# KiCad board Breadboard_power_supply.kicad_pcb (continued)
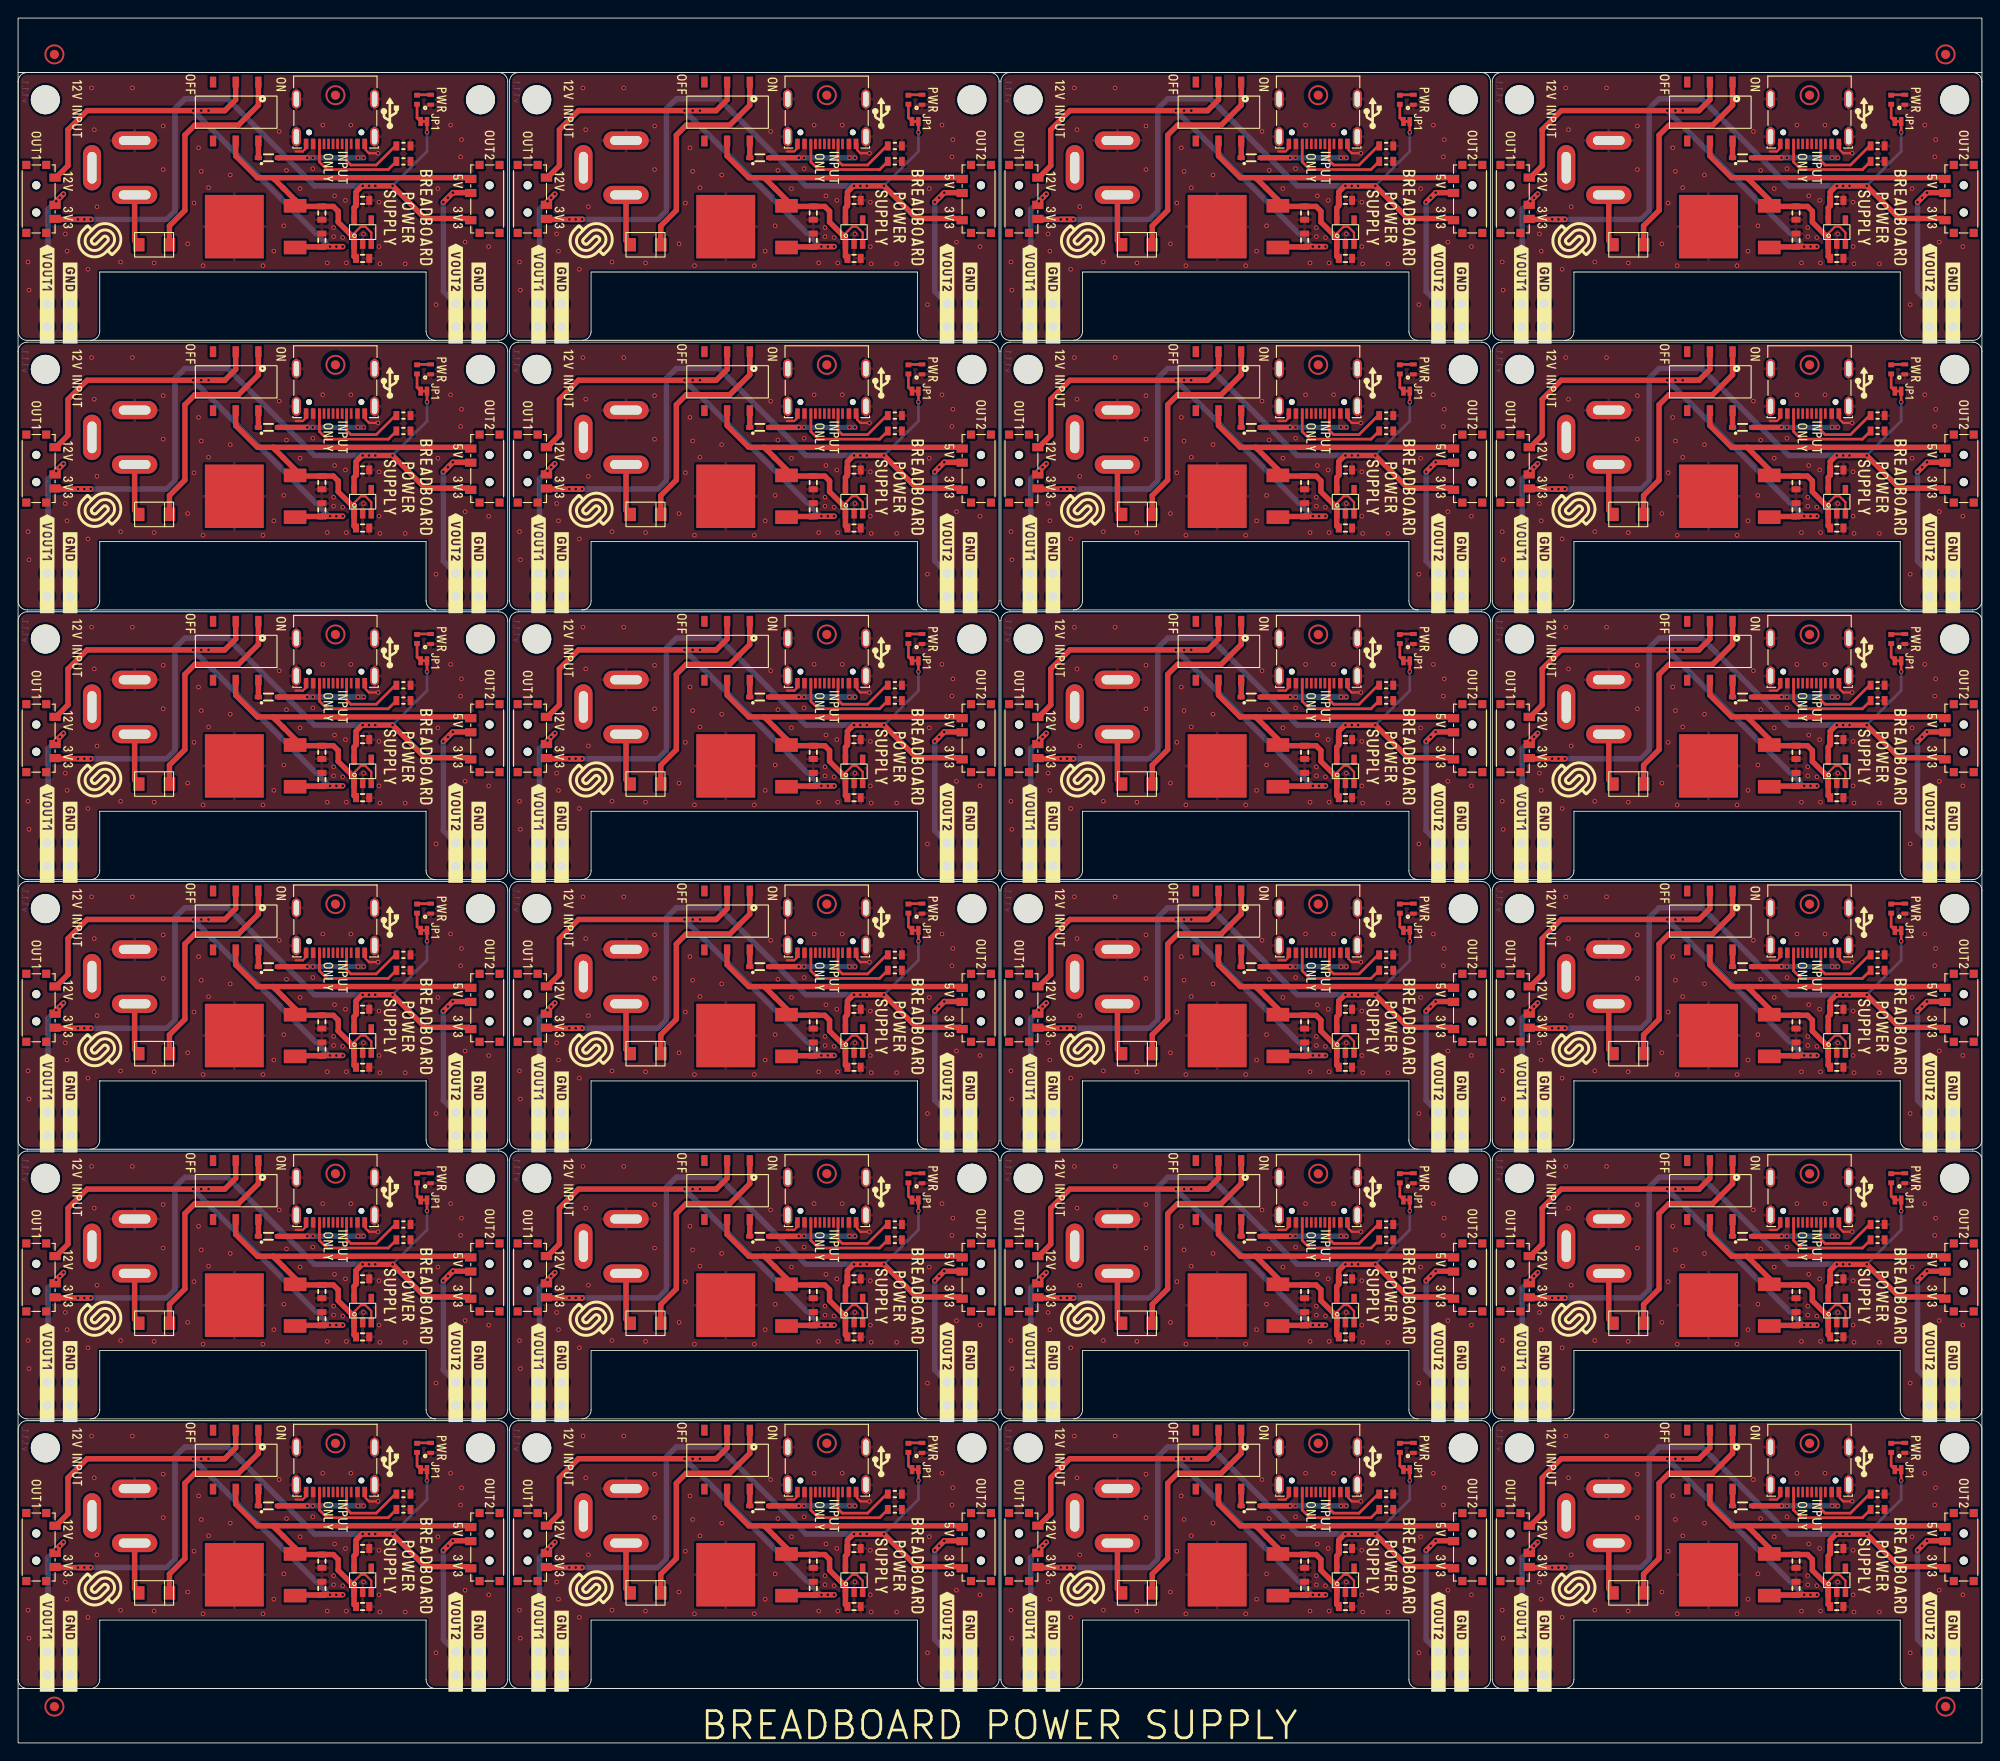
[diagram p0: board, top side]
## Routing (per net, layer and track width the routed paths; a pad name or vN(x,y) marks a point on that pad's centre or on a via; arc(x,y) is an arc through that point) (continued)
  Bottom w0.3: v1(41.3,82.52) 45.1,86.32 v1(45.1,88.42) ; v1(153.5,177.64) 153.5,175.54 v1(149.7,171.74) ; v1(45.1,147.9) 45.1,145.8 v1(41.3,142) ; v1(45.1,177.64) 45.1,175.54 v1(41.3,171.74) ; v1(203.9,171.74) 207.7,175.54 v1(207.7,177.64) ; v1(207.7,147.9) 207.7,145.8 v1(203.9,142) ; v1(41.3,52.78) 45.1,56.58 v1(45.1,58.68) ; v1(203.9,82.52) 207.7,86.32 v1(207.7,88.42) ; v1(207.7,28.94) 207.7,26.84 v1(203.9,23.04) ; v1(149.7,82.52) 153.5,86.32 v1(153.5,88.42) ; v1(95.5,82.52) 99.3,86.32 v1(99.3,88.42) ; v1(95.5,142) 99.3,145.8 v1(99.3,147.9) ; v1(99.3,118.16) 99.3,116.06 v1(95.5,112.26) ; v1(99.3,58.68) 99.3,56.58 v1(95.5,52.78) ; v1(95.5,171.74) 99.3,175.54 v1(99.3,177.64) ; v1(207.7,118.16) 207.7,116.06 v1(203.9,112.26) ; v1(153.5,28.94) 153.5,26.84 v1(149.7,23.04) ; v1(99.3,28.94) 99.3,26.84 v1(95.5,23.04) ; v1(153.5,58.68) 153.5,56.58 v1(149.7,52.78) ; v1(45.1,28.94) 45.1,26.84 v1(41.3,23.04) ; v1(149.7,142) 153.5,145.8 v1(153.5,147.9) ; v1(41.3,112.26) 45.1,116.06 v1(45.1,118.16) ; v1(203.9,52.78) 207.7,56.58 v1(207.7,58.68) ; v1(153.5,118.16) 153.5,116.06 v1(149.7,112.26)
  Bottom w0.6: v1(115,138.3) v1(116.4,138.3) 124.8,138.3 125.7,139.2 125.7,150.5 126.8,151.6 131.5,151.6 141.1,142 v1(147.8,142) 145.27,142 ; 36.87,52.78 v1(39.4,52.78) 32.7,52.78 23.1,62.38 18.4,62.38 17.3,61.28 17.3,49.98 16.4,49.08 v1(8,49.08) v1(6.6,49.08) ; 199.47,142 v1(202,142) 195.3,142 185.7,151.6 181,151.6 179.9,150.5 179.9,139.2 179,138.3 v1(170.6,138.3) v1(169.2,138.3) ; 199.47,171.74 v1(202,171.74) 195.3,171.74 185.7,181.34 181,181.34 179.9,180.24 179.9,168.94 179,168.04 v1(170.6,168.04) v1(169.2,168.04) ; v1(60.8,168.04) v1(62.2,168.04) 70.6,168.04 71.5,168.94 71.5,180.24 72.6,181.34 77.3,181.34 86.9,171.74 v1(93.6,171.74) 91.07,171.74 ; 145.27,171.74 v1(147.8,171.74) 141.1,171.74 131.5,181.34 126.8,181.34 125.7,180.24 125.7,168.94 124.8,168.04 v1(116.4,168.04) v1(115,168.04) ; v1(6.6,108.56) v1(8,108.56) 16.4,108.56 17.3,109.46 17.3,120.76 18.4,121.86 23.1,121.86 32.7,112.26 v1(39.4,112.26) 36.87,112.26 ; 145.27,112.26 v1(147.8,112.26) 141.1,112.26 131.5,121.86 126.8,121.86 125.7,120.76 125.7,109.46 124.8,108.56 v1(116.4,108.56) v1(115,108.56) ; v1(115,49.08) v1(116.4,49.08) 124.8,49.08 125.7,49.98 125.7,61.28 126.8,62.38 131.5,62.38 141.1,52.78 v1(147.8,52.78) 145.27,52.78 ; 199.47,52.78 v1(202,52.78) 195.3,52.78 185.7,62.38 181,62.38 179.9,61.28 179.9,49.98 179,49.08 v1(170.6,49.08) v1(169.2,49.08) ; v1(60.8,49.08) v1(62.2,49.08) 70.6,49.08 71.5,49.98 71.5,61.28 72.6,62.38 77.3,62.38 86.9,52.78 v1(93.6,52.78) 91.07,52.78 ; v1(60.8,78.82) v1(62.2,78.82) 70.6,78.82 71.5,79.72 71.5,91.02 72.6,92.12 77.3,92.12 86.9,82.52 v1(93.6,82.52) 91.07,82.52 ; 91.07,112.26 v1(93.6,112.26) 86.9,112.26 77.3,121.86 72.6,121.86 71.5,120.76 71.5,109.46 70.6,108.56 v1(62.2,108.56) v1(60.8,108.56) ; 199.47,82.52 v1(202,82.52) 195.3,82.52 185.7,92.12 181,92.12 179.9,91.02 179.9,79.72 179,78.82 v1(170.6,78.82) v1(169.2,78.82) ; 91.07,23.04 v1(93.6,23.04) 86.9,23.04 77.3,32.64 72.6,32.64 71.5,31.54 71.5,20.24 70.6,19.34 v1(62.2,19.34) v1(60.8,19.34) ; v1(115,19.34) v1(116.4,19.34) 124.8,19.34 125.7,20.24 125.7,31.54 126.8,32.64 131.5,32.64 141.1,23.04 v1(147.8,23.04) 145.27,23.04 ; 145.27,82.52 v1(147.8,82.52) 141.1,82.52 131.5,92.12 126.8,92.12 125.7,91.02 125.7,79.72 124.8,78.82 v1(116.4,78.82) v1(115,78.82) ; v1(6.6,138.3) v1(8,138.3) 16.4,138.3 17.3,139.2 17.3,150.5 18.4,151.6 23.1,151.6 32.7,142 v1(39.4,142) 36.87,142 ; v1(169.2,19.34) v1(170.6,19.34) 179,19.34 179.9,20.24 179.9,31.54 181,32.64 185.7,32.64 195.3,23.04 v1(202,23.04) 199.47,23.04 ; v1(6.6,78.82) v1(8,78.82) 16.4,78.82 17.3,79.72 17.3,91.02 18.4,92.12 23.1,92.12 32.7,82.52 v1(39.4,82.52) 36.87,82.52 ; 36.87,23.04 v1(39.4,23.04) 32.7,23.04 23.1,32.64 18.4,32.64 17.3,31.54 17.3,20.24 16.4,19.34 v1(8,19.34) v1(6.6,19.34) ; 199.47,112.26 v1(202,112.26) 195.3,112.26 185.7,121.86 181,121.86 179.9,120.76 179.9,109.46 179,108.56 v1(170.6,108.56) v1(169.2,108.56) ; v1(6.6,168.04) v1(8,168.04) 16.4,168.04 17.3,168.94 17.3,180.24 18.4,181.34 23.1,181.34 32.7,171.74 v1(39.4,171.74) 36.87,171.74 ; v1(60.8,138.3) v1(62.2,138.3) 70.6,138.3 71.5,139.2 71.5,150.5 72.6,151.6 77.3,151.6 86.9,142 v1(93.6,142) 91.07,142
  vias: v1(7.3,168.04) v1(7.3,138.3) v1(7.3,108.56) v1(7.3,78.82) v1(7.3,49.08) v1(7.3,19.34) v1(38,171.74) v1(38,142) v1(38,112.26) v1(38,82.52) v1(38,52.78) v1(38,23.04) v1(38.7,171.74) v1(38.7,142) v1(38.7,112.26) v1(38.7,82.52) v1(38.7,52.78) v1(38.7,23.04) v1(61.5,168.04) v1(61.5,138.3) v1(61.5,108.56) v1(61.5,78.82) v1(61.5,49.08) v1(61.5,19.34) v1(92.2,171.74) v1(92.2,142) v1(92.2,112.26) v1(92.2,82.52) v1(92.2,52.78) v1(92.2,23.04) v1(92.9,171.74) v1(92.9,142) v1(92.9,112.26) v1(92.9,82.52) v1(92.9,52.78) v1(92.9,23.04) v1(115.7,168.04) v1(115.7,138.3) v1(115.7,108.56) v1(115.7,78.82) v1(115.7,49.08) v1(115.7,19.34) v1(146.4,171.74) v1(146.4,142) v1(146.4,112.26) v1(146.4,82.52) v1(146.4,52.78) v1(146.4,23.04) v1(147.1,171.74) v1(147.1,142) v1(147.1,112.26) v1(147.1,82.52) v1(147.1,52.78) v1(147.1,23.04) v1(169.9,168.04) v1(169.9,138.3) v1(169.9,108.56) v1(169.9,78.82) v1(169.9,49.08) v1(169.9,19.34) v1(200.6,171.74) v1(200.6,142) v1(200.6,112.26) v1(200.6,82.52) v1(200.6,52.78) v1(200.6,23.04) v1(201.3,171.74) v1(201.3,142) v1(201.3,112.26) v1(201.3,82.52) v1(201.3,52.78) v1(201.3,23.04)
5V: length 1158.1
  Top w0.25: 37.05,76.77 37.05,77.27 37.8,78.02 38.3,78.02 38.95,77.37 38.95,76.22 ; 199.65,106.51 199.65,107.01 200.4,107.76 200.9,107.76 201.55,107.11 201.55,105.96 ; 145.45,47.03 145.45,47.53 146.2,48.28 146.7,48.28 147.35,47.63 147.35,46.48 ; 145.45,106.51 145.45,107.01 146.2,107.76 146.7,107.76 147.35,107.11 147.35,105.96 ; 37.05,17.29 37.05,17.79 37.8,18.54 38.3,18.54 38.95,17.89 38.95,16.74 ; 145.45,136.25 145.45,136.75 146.2,137.5 146.7,137.5 147.35,136.85 147.35,135.7 ; 37.05,47.03 37.05,47.53 37.8,48.28 38.3,48.28 38.95,47.63 38.95,46.48 ; 145.45,17.29 145.45,17.79 146.2,18.54 146.7,18.54 147.35,17.89 147.35,16.74 ; 201.55,135.7 201.55,136.85 200.9,137.5 200.4,137.5 199.65,136.75 199.65,136.25 ; 145.45,76.77 145.45,77.27 146.2,78.02 146.7,78.02 147.35,77.37 147.35,76.22 ; 201.55,46.48 201.55,47.63 200.9,48.28 200.4,48.28 199.65,47.53 199.65,47.03 ; 91.25,47.03 91.25,47.53 92,48.28 92.5,48.28 93.15,47.63 93.15,46.48 ; 37.05,136.25 37.05,136.75 37.8,137.5 38.3,137.5 38.95,136.85 38.95,135.7 ; 38.95,105.96 38.95,107.11 38.3,107.76 37.8,107.76 37.05,107.01 37.05,106.51 ; 93.15,105.96 93.15,107.11 92.5,107.76 92,107.76 91.25,107.01 91.25,106.51 ; 93.15,16.74 93.15,17.89 92.5,18.54 92,18.54 91.25,17.79 91.25,17.29 ; 93.15,76.22 93.15,77.37 92.5,78.02 92,78.02 91.25,77.27 91.25,76.77 ; 93.15,135.7 93.15,136.85 92.5,137.5 92,137.5 91.25,136.75 91.25,136.25 ; 91.25,165.99 91.25,166.49 92,167.24 92.5,167.24 93.15,166.59 93.15,165.44 ; 199.65,165.99 199.65,166.49 200.4,167.24 200.9,167.24 201.55,166.59 201.55,165.44 ; 145.45,165.99 145.45,166.49 146.2,167.24 146.7,167.24 147.35,166.59 147.35,165.44 ; 199.65,76.77 199.65,77.27 200.4,78.02 200.9,78.02 201.55,77.37 201.55,76.22 ; 201.55,16.74 201.55,17.89 200.9,18.54 200.4,18.54 199.65,17.79 199.65,17.29 ; 38.95,165.44 38.95,166.59 38.3,167.24 37.8,167.24 37.05,166.49 37.05,165.99
  Top w0.6: C1#16.2 145.45,45 145.45,47.03 143.7,48.78 143.7,49.98 143.17,50.51 C3#11.2 ; U1#9.2 193.15,51.23 191.8,52.58 ; C3#5.2 33.67,50.51 ; C3#5.2 34.77,50.51 35.3,49.98 35.3,48.78 37.05,47.03 37.05,45 C1#23.2 ; C3#5.2 30.62,50.51 ; C3#18.2 33.67,139.73 ; C3#18.2 34.77,139.73 35.3,139.2 35.3,138 37.05,136.25 37.05,134.22 C1#15.2 ; C3#18.2 30.62,139.73 ; U1#11.2 193.15,80.97 191.8,82.32 ; U1#16.2 193.15,140.45 191.8,141.8 ; C3#11.2 142.07,50.51 ; C3#11.2 139.02,50.51 ; 191.8,52.58 190.7,53.68 ; 191.8,52.58 192,52.38 ; S1#13.5 186.6,175.04 189,172.64 190.7,172.64 ; 83.4,82.32 82.3,83.42 ; 83.4,82.32 84.75,80.97 U1#5.2 ; 83.4,82.32 83.6,82.12 ; U1#8.2 138.95,170.19 137.6,171.54 ; C1#6.2 145.45,15.26 145.45,17.29 143.7,19.04 143.7,20.24 143.17,20.77 C3#17.2 ; S1#17.5 186.6,26.34 189,23.94 190.7,23.94 ; U1#22.2 193.15,110.71 191.8,112.06 ; 136.5,113.16 134.8,113.16 132.4,115.56 S1#7.5 ; 136.5,113.16 137.6,112.06 ; 136.5,113.16 158.2,113.16 158.31,113.06 158.31,113.02 158.3,113.01 ; 83.4,52.58 84.75,51.23 U1#12.2 ; 83.4,52.58 82.3,53.68 ; 83.4,52.58 83.6,52.38 ; 29.2,141.8 28.1,142.9 ; 29.2,141.8 29.4,141.6 ; 29.2,141.8 30.55,140.45 U1#6.2 ; C3#8.2 88.97,139.73 89.5,139.2 89.5,138 91.25,136.25 91.25,134.22 C1#14.2 ; C3#8.2 87.87,139.73 ; C3#8.2 84.82,139.73 ; C3#16.2 84.82,169.47 ; C3#16.2 87.87,169.47 ; C3#16.2 88.97,169.47 89.5,168.94 89.5,167.74 91.25,165.99 91.25,163.96 C1#17.2 ; 82.3,23.94 80.6,23.94 78.2,26.34 S1#8.5 ; 82.3,23.94 83.4,22.84 ; 82.3,23.94 104,23.94 104.1,23.84 104.1,23.79 104.1,23.79 ; 29.2,22.84 28.1,23.94 ; 29.2,22.84 29.4,22.64 ; 29.2,22.84 30.55,21.49 U1#13.2 ; C3#6.2 197.37,80.25 197.9,79.72 197.9,78.52 199.65,76.77 199.65,74.74 C1#12.2 ; C3#6.2 193.22,80.25 ; C3#6.2 196.27,80.25 ; U1#15.2 84.75,140.45 83.4,141.8 ; 104.1,113.01 104.1,113.02 104.1,113.06 104,113.16 82.3,113.16 ; 49.9,113.01 49.91,113.02 49.91,113.06 49.8,113.16 28.1,113.16 ; 190.7,53.68 212.4,53.68 212.5,53.57 212.5,53.53 212.5,53.53 ; 190.7,53.68 189,53.68 186.6,56.08 S1#15.5 ; 28.1,53.68 26.4,53.68 24,56.08 S1#23.5 ; 28.1,53.68 29.2,52.58 ; 28.1,53.68 49.8,53.68 49.91,53.57 49.91,53.53 49.9,53.53 ; C3#13.2 197.37,169.47 197.9,168.94 197.9,167.74 199.65,165.99 199.65,163.96 C1.2 ; C3#13.2 196.27,169.47 ; C3#13.2 193.22,169.47 ; 28.1,113.16 29.2,112.06 ; 28.1,113.16 26.4,113.16 24,115.56 S1#2.5 ; C1#22.2 199.65,45 199.65,47.03 197.9,48.78 197.9,49.98 197.37,50.51 C3#19.2 ; S1.5 186.6,85.82 189,83.42 190.7,83.42 ; 136.5,53.68 137.6,52.58 ; 136.5,53.68 134.8,53.68 132.4,56.08 S1#21.5 ; 136.5,53.68 158.2,53.68 158.31,53.57 158.31,53.53 158.3,53.53 ; 191.8,112.06 192,111.86 ; 191.8,112.06 190.7,113.16 ; 82.3,83.42 80.6,83.42 78.2,85.82 S1#9.5 ; 82.3,83.42 104,83.42 104.1,83.31 104.1,83.28 104.1,83.27 ; 137.6,141.8 136.5,142.9 ; 137.6,141.8 137.8,141.6 ; 137.6,141.8 138.95,140.45 U1#19.2 ; 212.5,23.79 212.5,23.79 212.5,23.84 212.4,23.94 190.7,23.94 ; 212.5,142.75 212.5,142.75 212.5,142.8 212.4,142.9 190.7,142.9 ; S1#4.5 186.6,145.3 189,142.9 190.7,142.9 ; 28.1,83.42 26.4,83.42 24,85.82 S1#18.5 ; 28.1,83.42 29.2,82.32 ; 28.1,83.42 49.8,83.42 49.91,83.31 49.91,83.28 49.9,83.27 ; 190.7,23.94 191.8,22.84 ; 191.8,141.8 190.7,142.9 ; 191.8,141.8 192,141.6 ; 137.6,52.58 137.8,52.38 ; 137.6,52.58 138.95,51.23 U1#7.2 ; S1#6.5 78.2,56.08 80.6,53.68 82.3,53.68 ; 82.3,113.16 80.6,113.16 78.2,115.56 S1#12.5 ; 82.3,113.16 83.4,112.06 ; 82.3,53.68 104,53.68 104.1,53.57 104.1,53.53 104.1,53.53 ; 83.4,141.8 83.6,141.6 ; 83.4,141.8 82.3,142.9 ; S1#14.5 186.6,115.56 189,113.16 190.7,113.16 ; 190.7,83.42 191.8,82.32 ; 190.7,83.42 212.4,83.42 212.5,83.31 212.5,83.28 212.5,83.27 ; 82.3,142.9 80.6,142.9 78.2,145.3 S1#10.5 ; 82.3,142.9 104,142.9 104.1,142.8 104.1,142.75 104.1,142.75 ; 29.2,112.06 30.55,110.71 U1#21.2 ; 29.2,112.06 29.4,111.86 ; 191.8,171.54 193.15,170.19 U1#24.2 ; 191.8,171.54 190.7,172.64 ; 191.8,171.54 192,171.34 ; C3#3.2 30.62,109.99 ; C3#3.2 34.77,109.99 35.3,109.46 35.3,108.26 37.05,106.51 37.05,104.48 C1#2.2 ; C3#3.2 33.67,109.99 ; C3#10.2 139.02,80.25 ; C3#10.2 143.17,80.25 143.7,79.72 143.7,78.52 145.45,76.77 145.45,74.74 C1#10.2 ; C3#10.2 142.07,80.25 ; 137.6,171.54 137.8,171.34 ; 137.6,171.54 136.5,172.64 ; C3#9.2 193.22,139.73 ; C3#9.2 196.27,139.73 ; C3#9.2 197.37,139.73 197.9,139.2 197.9,138 199.65,136.25 199.65,134.22 C1#20.2 ; C3#20.2 84.82,50.51 ; C3#20.2 88.97,50.51 89.5,49.98 89.5,48.78 91.25,47.03 91.25,45 C1#19.2 ; C3#20.2 87.87,50.51 ; S1#24.5 132.4,85.82 134.8,83.42 136.5,83.42 ; 190.7,113.16 212.4,113.16 212.5,113.06 212.5,113.02 212.5,113.01 ; 137.6,82.32 136.5,83.42 ; 137.6,82.32 137.8,82.12 ; 137.6,82.32 138.95,80.97 U1#3.2 ; C3#17.2 139.02,20.77 ; C3#17.2 142.07,20.77 ; C3#14.2 84.82,109.99 ; C3#14.2 88.97,109.99 89.5,109.46 89.5,108.26 91.25,106.51 91.25,104.48 C1#13.2 ; C3#14.2 87.87,109.99 ; C3#4.2 143.17,109.99 143.7,109.46 143.7,108.26 145.45,106.51 145.45,104.48 C1#4.2 ; C3#4.2 142.07,109.99 ; C3#4.2 139.02,109.99 ; 29.2,171.54 28.1,172.64 ; 29.2,171.54 29.4,171.34 ; 29.2,171.54 30.55,170.19 U1#18.2 ; C3#2.2 87.87,80.25 ; C3#2.2 84.82,80.25 ; C3#2.2 88.97,80.25 89.5,79.72 89.5,78.52 91.25,76.77 91.25,74.74 C1#9.2 ; 83.4,171.54 82.3,172.64 ; 83.4,171.54 83.6,171.34 ; 83.4,171.54 84.75,170.19 U1#2.2 ; 191.8,82.32 192,82.12 ; 136.5,23.94 137.6,22.84 ; 136.5,23.94 158.2,23.94 158.31,23.84 158.31,23.79 158.3,23.79 ; 136.5,23.94 134.8,23.94 132.4,26.34 S1#22.5 ; C3#15.2 197.37,20.77 197.9,20.24 197.9,19.04 199.65,17.29 199.65,15.26 C1#7.2 ; C3#15.2 193.22,20.77 ; C3#15.2 196.27,20.77 ; S1#19.5 24,26.34 26.4,23.94 28.1,23.94 ; C3#23.2 88.97,20.77 89.5,20.24 89.5,19.04 91.25,17.29 91.25,15.26 C1#11.2 ; C3#23.2 87.87,20.77 ; C3#23.2 84.82,20.77 ; 158.3,142.75 158.31,142.75 158.31,142.8 158.2,142.9 136.5,142.9 ; 158.3,83.27 158.31,83.28 158.31,83.31 158.2,83.42 136.5,83.42 ; C3.2 30.62,80.25 ; C3.2 34.77,80.25 35.3,79.72 35.3,78.52 37.05,76.77 37.05,74.74 C1#3.2 ; C3.2 33.67,80.25 ; C3#22.2 34.77,169.47 35.3,168.94 35.3,167.74 37.05,165.99 37.05,163.96 C1#5.2 ; C3#22.2 30.62,169.47 ; C3#22.2 33.67,169.47 ; 136.5,172.64 134.8,172.64 132.4,175.04 S1#20.5 ; 136.5,172.64 158.2,172.64 158.31,172.53 158.31,172.5 158.3,172.49 ; 136.5,142.9 134.8,142.9 132.4,145.3 S1#16.5 ; 82.3,172.64 80.6,172.64 78.2,175.04 S1#3.5 ; 82.3,172.64 104,172.64 104.1,172.53 104.1,172.5 104.1,172.49 ; 83.4,112.06 83.6,111.86 ; 83.4,112.06 84.75,110.71 U1#20.2 ; 28.1,23.94 49.8,23.94 49.91,23.84 49.91,23.79 49.9,23.79 ; U1#23.2 30.55,80.97 29.2,82.32 ; U1#17.2 30.55,51.23 29.2,52.58 ; C3#24.2 197.37,109.99 197.9,109.46 197.9,108.26 199.65,106.51 199.65,104.48 C1#21.2 ; C3#24.2 196.27,109.99 ; C3#24.2 193.22,109.99 ; 83.4,22.84 84.75,21.49 U1.2 ; 83.4,22.84 83.6,22.64 ; 212.5,172.49 212.5,172.5 212.5,172.53 212.4,172.64 190.7,172.64 ; 28.1,142.9 49.8,142.9 49.91,142.8 49.91,142.75 49.9,142.75 ; 28.1,142.9 26.4,142.9 24,145.3 S1#5.5 ; S1#11.5 24,175.04 26.4,172.64 28.1,172.64 ; 137.6,112.06 138.95,110.71 U1#4.2 ; 137.6,112.06 137.8,111.86 ; 137.6,22.84 137.8,22.64 ; 137.6,22.84 138.95,21.49 U1#14.2 ; C3#21.2 143.17,139.73 143.7,139.2 143.7,138 145.45,136.25 145.45,134.22 C1#24.2 ; C3#21.2 142.07,139.73 ; C3#21.2 139.02,139.73 ; 191.8,22.84 193.15,21.49 U1#10.2 ; 191.8,22.84 192,22.64 ; 29.2,82.32 29.4,82.12 ; 29.2,52.58 29.4,52.38 ; 49.9,172.49 49.91,172.5 49.91,172.53 49.8,172.64 28.1,172.64 ; C3#7.2 139.02,169.47 ; C3#7.2 142.07,169.47 ; C3#7.2 143.17,169.47 143.7,168.94 143.7,167.74 145.45,165.99 145.45,163.96 C1#18.2 ; C3#12.2 30.62,20.77 ; C3#12.2 34.77,20.77 35.3,20.24 35.3,19.04 37.05,17.29 37.05,15.26 C1#8.2 ; C3#12.2 33.67,20.77 ; C3#19.2 193.22,50.51 ; C3#19.2 196.27,50.51
12V: length 1419.3
  Top w0.6: 193.22,105.53 C2#23.2 196.13,105.56 v1(198.4,105.56) ; 30.62,75.79 C2#15.2 33.53,75.82 v1(35.8,75.82) ; 131.2,180.04 132.4,181.24 S1#20.2 ; 131.2,180.04 v1(129.4,180.04) ; 131.2,180.04 116,180.04 113.9,177.94 113.9,173.97 112.53,172.59 ; 185.4,150.3 v1(183.6,150.3) ; 185.4,150.3 186.6,151.5 S1#4.2 ; 185.4,150.3 170.2,150.3 168.1,148.2 168.1,144.23 166.72,142.86 ; v1(144.2,105.56) 141.93,105.56 C2#8.2 139.02,105.53 ; v1(90,165.04) 87.73,165.04 C2#16.2 84.82,165.01 ; 77,61.08 61.8,61.08 59.7,58.98 59.7,55.01 58.33,53.63 ; 77,61.08 v1(75.2,61.08) ; 77,61.08 78.2,62.28 S1#6.2 ; 166.72,83.38 168.1,84.75 168.1,88.72 170.2,90.82 185.4,90.82 ; 30.62,46.05 C2#24.2 33.53,46.08 v1(35.8,46.08) ; 77,150.3 61.8,150.3 59.7,148.2 59.7,144.23 58.33,142.86 ; 77,150.3 78.2,151.5 S1#10.2 ; 77,150.3 v1(75.2,150.3) ; 58.33,172.59 59.7,173.97 59.7,177.94 61.8,180.04 77,180.04 ; v1(90,105.56) 87.73,105.56 C2#5.2 84.82,105.53 ; 185.4,120.56 v1(183.6,120.56) ; 185.4,120.56 186.6,121.76 S1#14.2 ; 185.4,120.56 170.2,120.56 168.1,118.46 168.1,114.49 166.72,113.11 ; 131.2,61.08 116,61.08 113.9,58.98 113.9,55.01 112.53,53.63 ; 131.2,61.08 132.4,62.28 S1#21.2 ; 131.2,61.08 v1(129.4,61.08) ; 185.4,90.82 v1(183.6,90.82) ; 185.4,90.82 186.6,92.02 S1.2 ; 30.62,16.31 C2.2 33.53,16.34 v1(35.8,16.34) ; 185.4,61.08 186.6,62.28 S1#15.2 ; 185.4,61.08 170.2,61.08 168.1,58.98 168.1,55.01 166.72,53.63 ; 185.4,61.08 v1(183.6,61.08) ; 193.22,16.31 C2#9.2 196.13,16.34 v1(198.4,16.34) ; 185.4,180.04 186.6,181.24 S1#13.2 ; 185.4,180.04 170.2,180.04 168.1,177.94 168.1,173.97 166.72,172.59 ; 185.4,180.04 v1(183.6,180.04) ; 77,31.34 v1(75.2,31.34) ; 77,31.34 61.8,31.34 59.7,29.24 59.7,25.27 58.33,23.9 ; 77,31.34 78.2,32.54 S1#8.2 ; v1(144.2,46.08) 141.93,46.08 C2#2.2 139.02,46.05 ; 22.8,31.34 7.6,31.34 5.5,29.24 5.5,25.27 4.12,23.9 ; 22.8,31.34 24,32.54 S1#19.2 ; 22.8,31.34 v1(21,31.34) ; 22.8,120.56 v1(21,120.56) ; 22.8,120.56 7.6,120.56 5.5,118.46 5.5,114.49 4.12,113.11 ; 22.8,120.56 24,121.76 S1#2.2 ; 84.82,16.31 C2#22.2 87.73,16.34 v1(90,16.34) ; S1#9.2 78.2,92.02 77,90.82 ; 22.8,180.04 7.6,180.04 5.5,177.94 5.5,173.97 4.12,172.59 ; 22.8,180.04 24,181.24 S1#11.2 ; 22.8,180.04 v1(21,180.04) ; v1(144.2,75.82) 141.93,75.82 C2#17.2 139.02,75.79 ; 112.53,142.86 113.9,144.23 113.9,148.2 116,150.3 131.2,150.3 ; 185.4,31.34 170.2,31.34 168.1,29.24 168.1,25.27 166.72,23.9 ; 185.4,31.34 v1(183.6,31.34) ; 185.4,31.34 186.6,32.54 S1#17.2 ; S1#5.2 24,151.5 22.8,150.3 ; 193.22,135.27 C2#7.2 196.13,135.3 v1(198.4,135.3) ; 22.8,90.82 7.6,90.82 5.5,88.72 5.5,84.75 4.12,83.38 ; 22.8,90.82 24,92.02 S1#18.2 ; 22.8,90.82 v1(21,90.82) ; S1#7.2 132.4,121.76 131.2,120.56 ; v1(144.2,135.3) 141.93,135.3 C2#12.2 139.02,135.27 ; 30.62,165.01 C2#4.2 33.53,165.04 v1(35.8,165.04) ; S1#24.2 132.4,92.02 131.2,90.82 ; 30.62,105.53 C2#21.2 33.53,105.56 v1(35.8,105.56) ; S1#3.2 78.2,181.24 77,180.04 ; 131.2,90.82 v1(129.4,90.82) ; 131.2,90.82 116,90.82 113.9,88.72 113.9,84.75 112.53,83.38 ; 77,90.82 61.8,90.82 59.7,88.72 59.7,84.75 58.33,83.38 ; 77,90.82 v1(75.2,90.82) ; 193.22,75.79 C2#11.2 196.13,75.82 v1(198.4,75.82) ; v1(35.8,135.3) 33.53,135.3 C2#19.2 30.62,135.27 ; 112.53,113.11 113.9,114.49 113.9,118.46 116,120.56 131.2,120.56 ; v1(90,135.3) 87.73,135.3 C2#18.2 84.82,135.27 ; v1(144.2,165.04) 141.93,165.04 C2#13.2 139.02,165.01 ; 22.8,61.08 7.6,61.08 5.5,58.98 5.5,55.01 4.12,53.63 ; 22.8,61.08 v1(21,61.08) ; 22.8,61.08 24,62.28 S1#23.2 ; 131.2,120.56 v1(129.4,120.56) ; 131.2,31.34 v1(129.4,31.34) ; 131.2,31.34 132.4,32.54 S1#22.2 ; 131.2,31.34 116,31.34 113.9,29.24 113.9,25.27 112.53,23.9 ; 131.2,150.3 132.4,151.5 S1#16.2 ; 131.2,150.3 v1(129.4,150.3) ; v1(90,46.08) 87.73,46.08 C2#6.2 84.82,46.05 ; v1(198.4,165.04) 196.13,165.04 C2#10.2 193.22,165.01 ; 58.33,113.11 59.7,114.49 59.7,118.46 61.8,120.56 77,120.56 ; 77,120.56 78.2,121.76 S1#12.2 ; 77,120.56 v1(75.2,120.56) ; v1(144.2,16.34) 141.93,16.34 C2#14.2 139.02,16.31 ; 77,180.04 v1(75.2,180.04) ; 193.22,46.05 C2#20.2 196.13,46.08 v1(198.4,46.08) ; 22.8,150.3 v1(21,150.3) ; 22.8,150.3 7.6,150.3 5.5,148.2 5.5,144.23 4.12,142.86 ; v1(90,75.82) 87.73,75.82 C2#3.2 84.82,75.79
  Bottom w0.6: v1(198.4,105.56) 196.9,105.56 v1(181.9,120.56) v1(183.6,120.56) ; v1(75.2,90.82) v1(73.5,90.82) 88.5,75.82 v1(90,75.82) ; v1(75.2,31.34) v1(73.5,31.34) 88.5,16.34 v1(90,16.34) ; v1(144.2,46.08) 142.7,46.08 v1(127.7,61.08) v1(129.4,61.08) ; v1(75.2,180.04) v1(73.5,180.04) 88.5,165.04 v1(90,165.04) ; v1(129.4,120.56) v1(127.7,120.56) 142.7,105.56 v1(144.2,105.56) ; v1(21,150.3) v1(19.3,150.3) 34.3,135.3 v1(35.8,135.3) ; v1(198.4,135.3) 196.9,135.3 v1(181.9,150.3) v1(183.6,150.3) ; v1(129.4,150.3) v1(127.7,150.3) 142.7,135.3 v1(144.2,135.3) ; v1(75.2,120.56) v1(73.5,120.56) 88.5,105.56 v1(90,105.56) ; v1(129.4,31.34) v1(127.7,31.34) 142.7,16.34 v1(144.2,16.34) ; v1(144.2,75.82) 142.7,75.82 v1(127.7,90.82) v1(129.4,90.82) ; v1(198.4,165.04) 196.9,165.04 v1(181.9,180.04) v1(183.6,180.04) ; v1(75.2,150.3) v1(73.5,150.3) 88.5,135.3 v1(90,135.3) ; v1(35.8,105.56) 34.3,105.56 v1(19.3,120.56) v1(21,120.56) ; v1(198.4,75.82) 196.9,75.82 v1(181.9,90.82) v1(183.6,90.82) ; v1(183.6,31.34) v1(181.9,31.34) 196.9,16.34 v1(198.4,16.34) ; v1(90,46.08) 88.5,46.08 v1(73.5,61.08) v1(75.2,61.08) ; v1(198.4,46.08) 196.9,46.08 v1(181.9,61.08) v1(183.6,61.08) ; v1(129.4,180.04) v1(127.7,180.04) 142.7,165.04 v1(144.2,165.04) ; v1(21,61.08) v1(19.3,61.08) 34.3,46.08 v1(35.8,46.08) ; v1(35.8,75.82) 34.3,75.82 v1(19.3,90.82) v1(21,90.82) ; v1(21,31.34) v1(19.3,31.34) 34.3,16.34 v1(35.8,16.34) ; v1(35.8,165.04) 34.3,165.04 v1(19.3,180.04) v1(21,180.04)
  vias: v1(20.2,180.04) v1(20.2,150.3) v1(20.2,120.56) v1(20.2,90.82) v1(20.2,61.08) v1(20.2,31.34) v1(34.4,165.04) v1(34.4,135.3) v1(34.4,105.56) v1(34.4,75.82) v1(34.4,46.08) v1(34.4,16.34) v1(35.1,165.04) v1(35.1,135.3) v1(35.1,105.56) v1(35.1,75.82) v1(35.1,46.08) v1(35.1,16.34) v1(74.4,180.04) v1(74.4,150.3) v1(74.4,120.56) v1(74.4,90.82) v1(74.4,61.08) v1(74.4,31.34) v1(88.6,165.04) v1(88.6,135.3) v1(88.6,105.56) v1(88.6,75.82) v1(88.6,46.08) v1(88.6,16.34) v1(89.3,165.04) v1(89.3,135.3) v1(89.3,105.56) v1(89.3,75.82) v1(89.3,46.08) v1(89.3,16.34) v1(128.6,180.04) v1(128.6,150.3) v1(128.6,120.56) v1(128.6,90.82) v1(128.6,61.08) v1(128.6,31.34) v1(142.8,165.04) v1(142.8,135.3) v1(142.8,105.56) v1(142.8,75.82) v1(142.8,46.08) v1(142.8,16.34) v1(143.5,165.04) v1(143.5,135.3) v1(143.5,105.56) v1(143.5,75.82) v1(143.5,46.08) v1(143.5,16.34) v1(182.8,180.04) v1(182.8,150.3) v1(182.8,120.56) v1(182.8,90.82) v1(182.8,61.08) v1(182.8,31.34) v1(197,165.04) v1(197,135.3) v1(197,105.56) v1(197,75.82) v1(197,46.08) v1(197,16.34) v1(197.7,165.04) v1(197.7,135.3) v1(197.7,105.56) v1(197.7,75.82) v1(197.7,46.08) v1(197.7,16.34)
